# Allegro board Single PMT Data AcquisitionV_3P3.brd (continued)
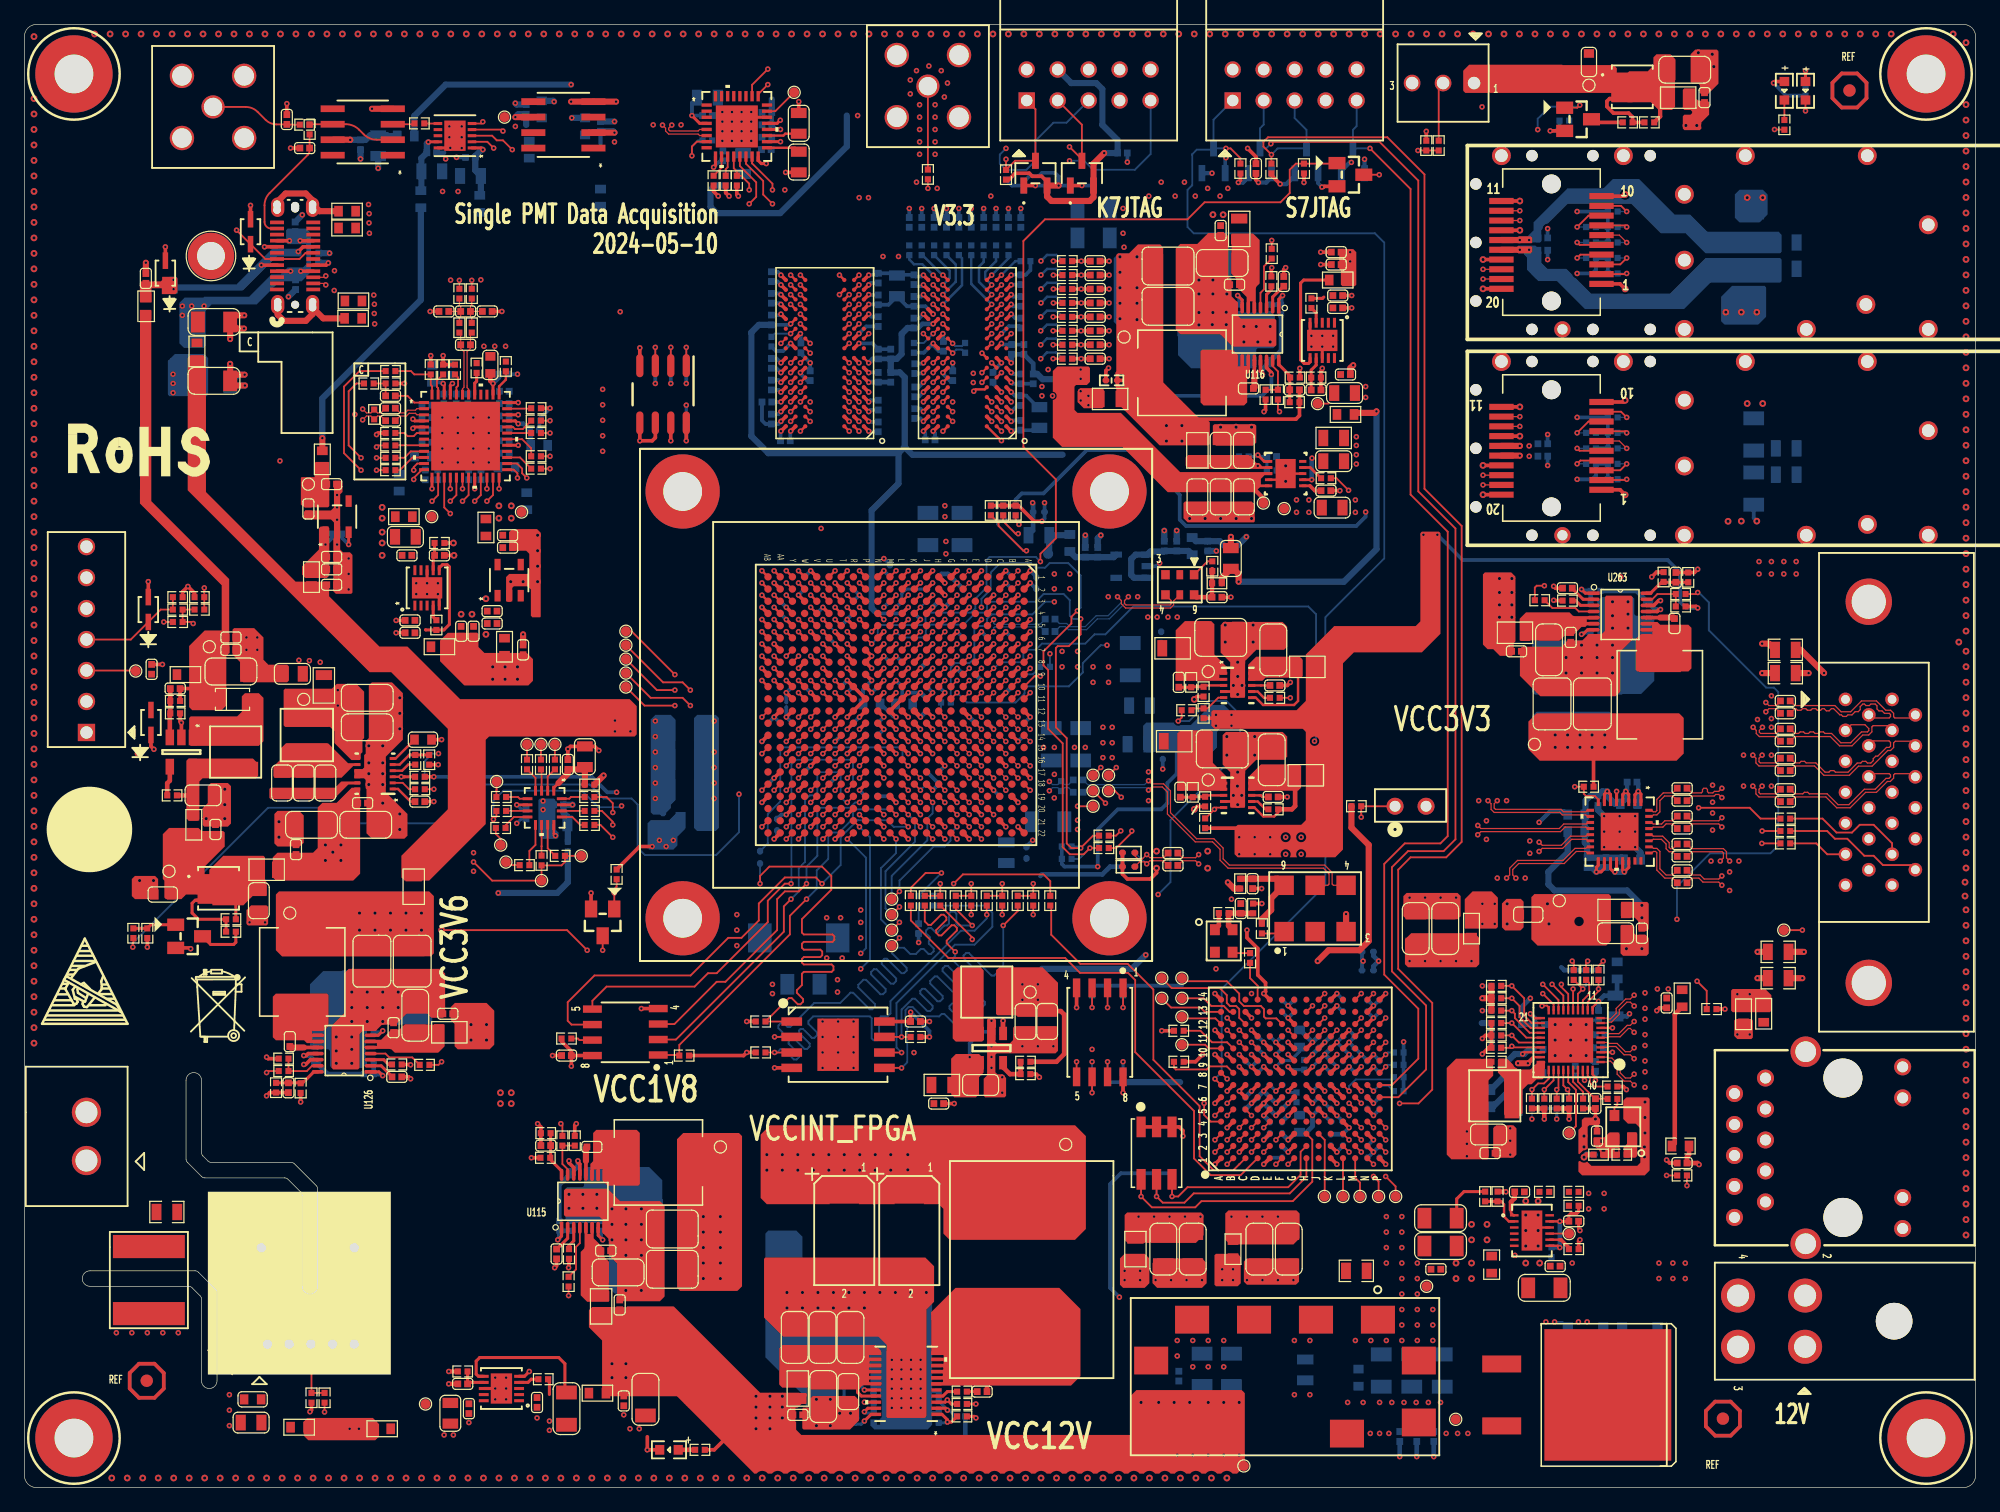
[diagram p0: board, top side]
## Routing (per net, layer and track width the routed paths; a pad name or vN(x,y) marks a point on that pad's centre or on a via; arc(x,y) is an arc through that point) (continued)
  TOP w0.102: v1(139.19,49.4) 138.94,49.66 137.64,49.66 137.31,49.99 136.72,49.99 136.34,49.61
  ART03 w0.102: J75.23 154.67,53.6 153.34,53.6 153.21,53.48 153.21,53.21 151.71,51.71 150.95,51.71 149.91,50.67 149.22,50.67 148.13,49.58 145,49.58 144.9,49.48 144.9,49.34 144.56,49 143.81,49 143.47,49.34 143.47,49.48 143.37,49.58 139.37,49.58 v1(139.19,49.4)
RF_MOD_IN_VARIABLE_P: length 59.4
  TOP w0.102: U1.E14 v1(78.48,61.19) ; U271.15 128.16,52.55 128.04,52.42 127.15,52.42 126.16,51.44 122.43,51.44 121.79,50.8 121.79,50.24 v1(121.54,49.99)
  ART08 w0.102: v1(78.48,61.19) 78.77,61.19 78.88,61.09 78.88,59.65 79.94,58.59 80.64,58.59 80.87,58.36 80.87,57.65 81.26,57.26 81.26,57.12 82.02,56.36 82.45,56.36 85.88,52.93 87.74,52.93 87.86,52.81 88.15,52.81 88.27,52.93 88.55,52.93 88.68,52.81 88.96,52.81 89.08,52.93 90.84,52.93 90.98,52.79 91.25,52.79 91.39,52.93 91.65,52.93 91.79,52.79 92.06,52.79 92.2,52.93 92.79,52.93 92.92,52.81 93.2,52.81 93.32,52.93 97.49,52.93 97.9,52.53 104.95,52.53 106.68,50.8 111.61,50.8 111.83,51.02 112.57,51.02 112.79,50.8 113.64,50.8 113.86,51.02 114.6,51.02 114.83,50.8 121.34,50.8 121.72,50.43 121.72,50.16 v1(121.54,49.99)
RF_MOD_IN_VARIABLE_P_C: length 21.8
  TOP w0.102: 136.34,50.62 136.72,50.24 137.41,50.24 137.74,49.91 138.94,49.91 v1(139.19,50.16)
  ART03 w0.102: v1(139.19,50.16) 139.37,49.99 139.86,49.99 139.98,50.11 140.26,50.11 140.39,49.99 140.51,49.99 140.63,50.11 140.91,50.11 141.04,49.99 141.32,49.99 141.45,50.11 141.72,50.11 141.85,49.99 142.13,49.99 142.26,50.11 142.54,50.11 142.66,49.99 143.54,49.99 143.88,49.65 143.88,49.5 143.98,49.4 144.39,49.4 144.49,49.5 144.49,49.65 144.83,49.99 145.19,49.99 145.29,50.09 145.59,50.09 145.69,49.99 146,49.99 146.1,50.09 146.4,50.09 146.51,49.99 147.96,49.99 149.06,51.08 149.74,51.08 150.78,52.12 151.54,52.12 152.18,52.76 152.18,52.99 152.35,53.16 152.44,53.16 152.58,53.16 152.78,53.36 152.78,53.6 152.53,53.85 151.87,53.85 J75.10
RF_SYNC_N: length 73.6
  TOP w0.102: v1(142.49,60.07) 142.24,59.82 142.24,59.54 142.34,59.44 143.62,59.44 C2456.2 ; U1.B12 v1(81.48,63.19)
  ART08 w0.102: v1(142.49,60.07) 142.3,59.87 142.3,59.55 140.78,58.04 135.76,58.04 135.64,57.91 124.27,57.91 120.76,61.42 119.16,61.42 118.82,61.76 118.82,62.05 118.72,62.15 118.31,62.15 118.21,62.05 118.21,61.76 117.87,61.42 116.62,61.42 116.28,61.76 116.28,62.05 116.18,62.15 115.77,62.15 115.67,62.05 115.67,61.76 115.33,61.42 113.36,61.42 113.02,61.76 113.02,61.98 112.92,62.09 112.51,62.09 112.41,61.98 112.41,61.76 112.07,61.42 106.46,61.42 106.26,61.62 105.37,61.62 105.17,61.42 103.09,61.42 100.73,63.78 99.09,63.78 97.44,65.43 94.06,65.43 93.73,65.1 88.37,65.1 86.44,63.17 84.29,63.17 83.82,63.64 81.28,63.64 81.08,63.44 81.08,63.29 81.18,63.19 v1(81.48,63.19)
RF_SYNC_P: length 74.3
  TOP w0.102: C2455.2 143.62,59.18 142.24,59.18 141.99,59.43 141.99,59.82 v1(141.73,60.07) ; U1.C12 v1(80.48,63.19)
  ART08 w0.102: v1(141.73,60.07) 141.89,59.91 141.89,59.72 140.61,58.45 135.59,58.45 135.47,58.32 124.43,58.32 120.93,61.82 119.33,61.82 119.22,61.93 119.22,62.22 118.88,62.56 118.14,62.56 117.8,62.22 117.8,61.93 117.7,61.82 116.79,61.82 116.69,61.93 116.69,62.22 116.35,62.56 115.6,62.56 115.26,62.22 115.26,61.93 115.16,61.82 113.53,61.82 113.43,61.93 113.43,62.15 113.09,62.49 112.34,62.49 112,62.15 112,61.93 111.9,61.82 106.63,61.82 106.42,62.03 105.2,62.03 105,61.82 103.26,61.82 100.89,64.19 99.26,64.19 97.61,65.84 93.89,65.84 93.56,65.51 91.64,65.51 91.54,65.61 91.24,65.61 91.13,65.51 90.5,65.51 90.39,65.62 90.09,65.62 89.98,65.51 89.69,65.51 89.57,65.62 89.28,65.62 89.17,65.51 88.2,65.51 87.93,65.24 87.75,65.24 87.55,65.04 87.55,64.86 87.35,64.66 87.18,64.66 86.98,64.46 86.98,64.29 86.78,64.09 86.6,64.09 86.4,63.89 86.4,63.71 86.27,63.58 85.88,63.58 85.77,63.68 85.47,63.68 85.37,63.58 85.06,63.58 84.96,63.68 84.66,63.68 84.56,63.58 84.45,63.58 84.19,63.84 81.19,63.84 80.88,63.52 80.88,63.29 80.77,63.19 v1(80.48,63.19)
S_FPGA_CLK: length 3.3
  TOP w0.152: R669.2 100.5,41.78 101.12,41.16 U88.D14
S_FPGA_QSPI_CLK: length 13.2
  TOP w0.152: U88.A8 v1(98.62,33.52)
  ART03 w0.102: v1(87.55,34.92) 88.34,34.14 98.01,34.14 v1(98.62,33.52)
  BOTTOM w0.152: R670.2 v1(87.55,34.92)
S_FPGA_QSPI_CS_B: length 19.5
  TOP w0.152: U89.1 v1(90.09,39.37) ; U88.C11 v1(99.63,37.52)
  ART03 w0.102: v1(99.63,37.52) 99.17,37.97 95.81,37.97 95.71,38.07 95.71,38.58 95.61,38.68 95.41,38.68 95.3,38.58 95.3,38.07 95.2,37.97 95,37.97 94.9,38.07 94.9,38.58 94.8,38.68 94.59,38.68 94.49,38.58 94.49,38.07 94.39,37.97 94.19,37.97 94.09,38.07 94.09,38.58 93.98,38.68 93.78,38.68 93.68,38.58 93.68,38.07 93.58,37.97 93.37,37.97 93.27,38.07 93.27,38.58 93.17,38.68 92.97,38.68 92.87,38.58 92.87,38.07 92.76,37.97 92.56,37.97 92.46,38.07 92.46,38.58 92.36,38.68 92.15,38.68 92.05,38.58 92.05,38.07 91.95,37.97 91.49,37.97 v1(90.09,39.37)
  BOTTOM w0.152: R658.2 v1(90.09,39.37)
S_FPGA_QSPI_MISO0: length 18.8
  TOP w0.152: U89.5 v1(86.28,34.92) ; U88.B11 v1(98.63,37.52)
  ART03 w0.102: v1(86.28,34.92) 86.28,35.56 87.68,36.96 88.86,36.96 88.96,37.06 88.96,37.36 89.06,37.47 89.26,37.47 89.36,37.36 89.36,37.06 89.47,36.96 89.67,36.96 89.77,37.06 89.77,37.36 89.87,37.47 90.08,37.47 90.18,37.36 90.18,37.06 90.28,36.96 90.48,36.96 90.58,37.06 90.58,37.36 90.69,37.47 90.89,37.47 90.99,37.36 90.99,37.06 91.09,36.96 91.3,36.96 91.4,37.06 91.4,37.36 91.5,37.47 91.7,37.47 91.8,37.36 91.8,37.06 91.9,36.96 98.06,36.96 v1(98.63,37.52)
S_FPGA_QSPI_MISO1: length 18.5
  TOP w0.152: U89.2 v1(88.82,39.37) ; U88.B12 v1(98.63,38.52)
  ART03 w0.102: v1(88.82,39.37) 89.33,39.88 91.31,39.88 91.41,39.78 91.41,39.4 91.51,39.29 91.72,39.29 91.82,39.4 91.82,39.78 91.92,39.88 92.12,39.88 92.22,39.78 92.22,39.4 92.33,39.29 92.53,39.29 92.63,39.4 92.63,39.78 92.73,39.88 92.94,39.88 93.04,39.78 93.04,39.4 93.14,39.29 93.34,39.29 93.44,39.4 93.44,39.78 93.54,39.88 93.75,39.88 93.85,39.78 93.85,39.4 93.95,39.29 94.15,39.29 94.26,39.4 94.26,39.78 94.36,39.88 94.56,39.88 94.66,39.78 94.66,39.4 94.76,39.29 94.97,39.29 95.07,39.4 95.07,39.78 95.17,39.88 95.37,39.88 95.48,39.78 95.48,39.4 95.58,39.29 95.78,39.29 95.88,39.4 95.88,39.78 95.98,39.88 96.31,39.88 97.67,38.52 v1(98.63,38.52)
S_FPGA_QSPI_MISO2: length 19.1
  TOP w0.152: U89.3 v1(87.55,39.37) ; U88.D10 v1(100.63,36.52)
  ART03 w0.102: v1(87.55,39.37) 88.57,40.39 96.57,40.39 97.71,39.24 99.11,39.24 100.12,38.23 100.12,37.02 v1(100.63,36.52)
  BOTTOM w0.152: R659.2 v1(87.55,39.37)
S_FPGA_QSPI_MISO3: length 19.1
  TOP w0.152: U89.7 v1(88.82,34.92) ; U88.C10 v1(99.63,36.52)
  ART03 w0.102: v1(88.82,34.92) 90.41,36.52 91.31,36.52 91.41,36.42 91.41,36.02 91.52,35.92 91.72,35.92 91.82,36.02 91.82,36.42 91.92,36.52 92.12,36.52 92.23,36.42 92.23,36.02 92.33,35.92 92.53,35.92 92.63,36.02 92.63,36.42 92.73,36.52 92.94,36.52 93.04,36.42 93.04,36.02 93.14,35.92 93.34,35.92 93.45,36.02 93.45,36.42 93.55,36.52 93.75,36.52 93.85,36.42 93.85,36.02 93.95,35.92 94.16,35.92 94.26,36.02 94.26,36.42 94.36,36.52 94.56,36.52 94.66,36.42 94.66,36.02 94.77,35.92 94.97,35.92 95.07,36.02 95.07,36.42 95.17,36.52 v1(99.63,36.52)
  BOTTOM w0.152: R660.2 v1(88.82,34.92)
S_FPGA_TCK: length 107.3
  TOP w0.152: U88.A7 v1(97.63,33.52) ; v1(98.53,109.83) 98.91,109.83 99.72,109.02 R668.2
  BOTTOM w0.152: D9.3 v1(98.53,109.83) ; D9.3 97.41,109.73 96.14,109.73 95.76,109.35 95.76,106.81 95.38,106.43 95.38,103.38 95.89,102.87 110.74,102.87 111.51,102.11 111.51,76.2 106.68,71.37 106.68,49.4 98.17,40.89 98.17,34.06 v1(97.63,33.52) ; D9.3 97.51,112.19 J56.1
S_FPGA_TDI: length 91.8
  TOP w0.152: v1(110.34,109.83) 113.67,106.5 113.67,81.44 116.71,78.39 116.71,53.43 116.11,52.83 113.19,52.83 111.51,51.15 111.51,42.07 114.3,39.28 114.3,35.18 112.14,33.02 U88.P7
  BOTTOM w0.152: v1(110.34,109.83) D6.3 108.94,111.35 109.24,111.65 J56.9
S_FPGA_TDO: length 102.5
  TOP w0.152: v1(102.21,110.21) 102.36,110.36 111.12,110.36 114.3,107.19 114.3,81.7 117.35,78.66 117.35,53.17 116.38,52.2 113.45,52.2 112.14,50.88 112.14,42.33 114.94,39.54 114.94,34.29 112.66,32.02 U88.P6
  BOTTOM w0.152: v1(102.21,110.21) 101.83,109.83 D8.3 101.32,111.48 101.62,111.78 J56.3
S_FPGA_TMS: length 112.8
  TOP w0.152: R667.2 v1(102.26,109.32) 101.6,109.98 101.6,110.36 101.98,110.74 111.76,110.74 114.81,107.7 114.81,81.92 117.86,78.87 117.86,52.96 116.59,51.69 113.67,51.69 112.65,50.67 112.65,42.55 115.44,39.75 115.44,32.64 114.31,31.51 v1(112.76,31.51) ; U88.M6 v1(109.63,31.52)
  ART03 w0.102: v1(112.76,31.51) 111.9,31.51 111.49,31.91 110.02,31.91 v1(109.63,31.52)
  BOTTOM w0.152: v1(102.26,109.32) 102.76,109.83 D7.3 105.13,111.35 104.16,112.32 J56.5
SFP_MGT_REFCLK_C_N: length 5.5
  TOP w0.102: U1.D5 v1(79.48,71.19)
  BOTTOM w0.102: C989.1 83.3,70.82 83.04,70.82 82.89,70.82 82.87,70.79 79.58,70.79 79.48,70.9 v1(79.48,71.19)
SFP_MGT_REFCLK_C_P: length 5.4
  TOP w0.102: U1.D6 v1(79.48,70.19)
  BOTTOM w0.102: v1(79.48,70.19) 79.48,70.49 79.58,70.59 82.87,70.59 82.89,70.56 83.04,70.56 83.36,70.56 C990.1
SFP_MGT_REFCLK_N: length 13.4
  TOP w0.102: U270.5 94.23,72.71 94.23,72.39 93.98,72.14 90.3,72.14 89.96,72.48 89.96,72.74 v1(89.64,73.06)
  BOTTOM w0.102: v1(89.64,73.06) 89.96,72.74 89.96,72.6 88.86,71.5 87.88,71.5 87,70.61 85.72,70.61 85.47,70.87 84.87,70.87 C989.2
SFP_MGT_REFCLK_P: length 13.1
  TOP w0.102: U270.4 94.03,72.75 94.03,72.47 93.95,72.39 90.33,72.39 90.21,72.51 90.21,72.74 v1(90.53,73.06)
  BOTTOM w0.102: v1(90.53,73.06) 90.21,72.74 90.21,72.49 88.96,71.25 87.99,71.25 87.1,70.36 85.62,70.36 85.37,70.61 84.91,70.61 C990.2
SFPGA_25M_OSC_ETH: length 4
  TOP w0.152: R858.2 129.8,31.9 C865.1 128.78,31.9 127.39,33.29 U93.37
SFPGA_ETH_INTB: length 16.9
  TOP w0.152: U88.P10 v1(111.63,36.52)
  ART03 w0.102: v1(123.62,30.23) 123.36,29.97 117.27,29.97 112.57,34.67 112.57,35.57 v1(111.63,36.52)
  BOTTOM w0.102: R852.2 v1(123.62,30.23)
SFPGA_ETH_LED0: length 3.4
  TOP w0.152: R867.2 v1(124.63,32.64) 125.39,33.4 U93.32
  BOTTOM w0.102: R867.2 v1(124.63,32.64)
SFPGA_ETH_LED1: length 26.1
  TOP w0.152: R866.2 v1(125.65,32.64) 125.79,32.78 U93.33 ; v1(137.16,41.53) 137.95,40.74 R835.1
  ART03 w0.102: v1(137.16,41.53) 137.16,41.55 136.8,41.91 131.09,41.91 130.73,41.55 130.73,33.83 129.67,32.77 127.68,32.77 127.3,33.15 126.16,33.15 v1(125.65,32.64)
  BOTTOM w0.102: R866.2 v1(125.65,32.64)
SFPGA_ETH_LED2: length 18.4
  TOP w0.152: R834.1 v1(134.66,25.6) ; R865.2 126.67,32.51 v1(126.54,32.64) 126.19,32.98 126.19,34.25 U93.34
  ART03 w0.102: v1(126.54,32.64) 127.05,32.64 127.61,32.08 129.92,32.08 130.25,31.75 132.08,31.75 132.41,32.08 133.08,32.08 133.35,31.81 133.35,26.91 v1(134.66,25.6)
  BOTTOM w0.102: R865.2 126.67,32.51 v1(126.54,32.64)
SFPGA_ETH_RESET_B: length 23.6
  TOP w0.152: U88.N11 v1(110.63,37.52) ; R853.2 129.08,42.8 v1(129.46,43.18)
  ART08 w0.102: v1(110.63,37.52) 110.7,37.59 113.49,37.59 114,38.1 120.52,38.1 121.06,38.63 122.63,38.63 124,40.01 127.6,40.01 128.56,40.97 128.56,42.28 v1(129.46,43.18)
SFPGA_ETH_TD_M_A: length 21.5
  TOP w0.102: U93.2 129.8,35.3 129.87,35.23 130.17,35.23 130.86,34.54 130.86,34.01 131.28,33.59 131.68,33.59 v1(132,33.91)
  ART08 w0.102: 140.23,24.7 141.23,24.2 141.27,24.06 141.21,23.94 140.89,23.62 140.22,23.62 140.09,23.75 139.82,23.75 139.69,23.62 139.57,23.62 138.94,24.26 138.94,24.75 139.08,24.89 139.08,25.15 138.94,25.3 138.94,25.56 139.08,25.7 139.08,25.97 138.94,26.11 138.94,27.13 139.07,27.26 139.07,27.53 138.94,27.66 138.94,27.93 133.2,33.67 132.59,33.67 132.35,33.91 v1(132,33.91)
SFPGA_ETH_TD_M_B: length 24.2
  TOP w0.102: U93.5 129.8,36.5 129.87,36.43 130.6,36.43 131.28,35.75 131.68,35.75 v1(132,36.07)
  ART03 w0.102: v1(132,36.07) 132.24,35.83 133.34,35.83 134.01,35.15 134.01,34.52 134.22,34.31 134.22,33.83 133.8,33.41 133.8,33.27 133.95,33.13 134.09,33.13 134.51,33.54 134.99,33.54 135.52,33.01 135.52,32.53 134.9,31.9 134.9,31.76 135.05,31.62 135.19,31.62 135.81,32.24 136.29,32.24 136.93,31.6 136.93,31.12 136.53,30.72 136.53,30.58 136.67,30.43 136.82,30.43 137.22,30.83 137.7,30.83 138.53,30 138.68,30 138.69,30.01 138.83,30.01 138.97,29.86 138.97,29.72 138.96,29.71 138.96,29.57 139.83,28.7 140.72,28.7 141.26,28.16 141.56,28.16 141.68,28.24 141.71,28.38 140.86,29.65 J6.7
SFPGA_ETH_TD_M_C: length 21
  TOP w0.102: v1(132,38.23) 131.68,37.91 131.43,37.91 130.75,37.23 129.87,37.23 129.8,37.3 U93.7
  ART08 w0.102: v1(132,38.23) 132.24,37.99 133.71,37.99 137.02,34.68 138.08,34.68 139.09,33.67 139.09,31.79 139.61,31.27 141.23,31.27 141.57,30.93 141.57,28.18 141.63,28.06 141.77,28.01 J6.6
SFPGA_ETH_TD_M_D: length 23.3
  TOP w0.102: U93.10 129.8,38.5 129.87,38.43 130.04,38.43 130.53,38.91 130.53,39.29 131.3,40.07 131.68,40.07 v1(132,40.39)
  ART03 w0.102: J6.9 141.23,31.82 141.27,31.68 141.21,31.56 140.92,31.27 139.93,31.27 139.74,31.46 139.52,31.46 139.33,31.27 139.04,31.27 136.14,34.16 136.14,34.4 136.25,34.5 136.58,34.5 136.92,34.84 136.92,35.59 136.58,35.92 136.25,35.92 136.14,36.03 136.14,36.43 136.25,36.53 136.58,36.53 136.92,36.87 136.92,37.62 136.58,37.96 136.25,37.96 136.14,38.06 136.14,38.23 134.73,39.65 134.73,39.86 134.54,40.04 134.33,40.04 134.23,40.14 133.87,40.14 133.77,40.25 133.77,40.26 133.67,40.36 133.47,40.36 133.37,40.26 133.37,40.25 133.26,40.14 132.24,40.14 v1(132,40.39)
SFPGA_ETH_TD_P_A: length 21.5
  TOP w0.102: v1(132,33.02) 131.68,33.34 131.17,33.34 130.6,33.91 130.6,34.44 130.07,34.98 129.87,34.98 129.8,34.9 U93.1
  ART08 w0.102: v1(132,33.02) 132.35,33.02 132.59,33.26 133.03,33.26 138.53,27.76 138.53,24.09 139.4,23.22 141.06,23.22 141.54,23.69 141.63,23.88 141.77,23.93 J6.2
SFPGA_ETH_TD_P_B: length 24.3
  TOP w0.102: v1(132,35.18) 131.68,35.5 131.17,35.5 130.49,36.18 129.87,36.18 129.8,36.1 U93.4
  ART03 w0.102: v1(132,35.18) 132.24,35.42 133.17,35.42 133.6,34.99 133.6,34.35 133.81,34.14 133.81,34 133.4,33.58 133.4,33.1 133.78,32.72 134.26,32.72 134.68,33.13 134.82,33.13 135.12,32.84 135.12,32.69 134.5,32.07 134.5,31.59 134.88,31.21 135.36,31.21 135.98,31.83 136.12,31.83 136.52,31.43 136.52,31.29 136.12,30.89 136.12,30.41 136.51,30.02 136.99,30.02 137.39,30.42 137.53,30.42 139.66,28.3 140.55,28.3 141.09,27.75 141.69,27.75 141.91,27.9 142.05,27.87 142.9,26.6 J6.4
SFPGA_ETH_TD_P_C: length 21.1
  TOP w0.102: v1(132,37.34) 131.68,37.66 131.53,37.66 130.85,36.98 129.87,36.98 129.8,36.9 U93.6
  ART08 w0.102: 140.23,27.24 141.23,27.74 141.27,27.87 141.24,27.94 141.16,28.02 141.16,28.48 140.99,28.66 140.99,28.89 141.16,29.06 141.16,30.76 141.06,30.86 140.24,30.86 140.06,30.68 139.84,30.68 139.66,30.86 139.45,30.86 139.08,31.23 139.01,31.23 138.86,31.23 138.68,31.4 138.68,31.48 138.68,31.56 138.68,31.8 138.57,31.91 138.57,32.21 138.68,32.32 138.68,33.51 137.92,34.27 136.85,34.27 133.54,37.58 132.24,37.58 v1(132,37.34)
SFPGA_ETH_TD_P_D: length 23.3
  TOP w0.102: U93.9 129.8,38.1 129.87,38.18 130.15,38.18 130.78,38.81 130.78,39.19 131.41,39.81 131.68,39.81 v1(132,39.5)
  ART03 w0.102: v1(132,39.5) 132.24,39.74 134.06,39.74 135.74,38.06 135.74,37.89 136.08,37.55 136.42,37.55 136.52,37.45 136.52,37.04 136.42,36.94 136.08,36.94 135.74,36.6 135.74,35.86 136.08,35.52 136.42,35.52 136.52,35.42 136.52,35.01 136.42,34.91 136.08,34.91 135.74,34.57 135.74,33.99 138.87,30.86 141.09,30.86 141.54,31.31 141.63,31.5 141.77,31.55 J6.8
SFPGA_RGMII_MDC: length 26.5
  TOP w0.152: R854.2 128.06,43.05 v1(128.19,43.18) ; U88.H13 v1(105.63,39.52)
  ART03 w0.102: v1(128.19,43.18) 127.68,43.69 125.06,43.69 123.48,42.11 107.35,42.11 105.63,40.38 v1(105.63,39.52)
SFPGA_RGMII_MDIO: length 24.8
  TOP w0.152: v1(126.92,43.18) 127.05,43.05 R855.2 ; U88.N10 v1(110.63,36.52)
  ART03 w0.102: v1(126.92,43.18) 125.31,43.18 122.98,40.85 122.98,36.45 121.59,35.05 119.3,35.05 117.29,37.06 111.53,37.06 110.99,36.52 v1(110.63,36.52)
SFPGA_RGMII_RX_CLK: length 22.2
  TOP w0.152: U88.H11 v1(105.63,37.52) ; 121.1,36.07 121.84,36.07 v1(121.97,36.2) 122.06,36.1 U93.27
  ART03 w0.102: v1(121.97,36.2) 119.55,36.2 118.28,37.47 111.43,37.47 110.98,37.02 106.13,37.02 v1(105.63,37.52)
  BOTTOM w0.102: v1(121.97,36.2) 121.84,36.07 121.1,36.07
SFPGA_RGMII_RX_CTL: length 21.9
  TOP w0.152: 121.1,37.08 v1(121.97,37.08) 122.55,36.5 U93.26 ; U88.P12 v1(111.63,38.52)
  ART03 w0.102: v1(111.63,38.52) 112.32,38.52 112.43,38.62 112.43,39.24 112.53,39.34 112.73,39.34 112.83,39.24 112.83,38.62 112.93,38.52 113.14,38.52 113.24,38.62 113.24,39.24 113.34,39.34 113.54,39.34 113.64,39.24 113.64,38.62 113.75,38.52 113.95,38.52 114.05,38.62 114.05,39.24 114.15,39.34 114.36,39.34 114.46,39.24 114.46,38.62 114.56,38.52 120.42,38.52 120.66,38.76 120.9,38.76 121.14,38.52 122.31,38.52 122.47,38.35 122.47,37.59 v1(121.97,37.08)
  BOTTOM w0.102: 121.1,37.08 v1(121.97,37.08)
SFPGA_RGMII_RXD0: length 22.3
  TOP w0.152: U93.25 123.16,36.9 v1(121.97,38.1) 121.1,38.1 ; U88.M11 v1(109.63,37.52)
  ART03 w0.102: v1(121.97,38.1) 121.46,37.59 120.68,37.59 120.57,37.49 120.57,36.7 120.47,36.6 120.27,36.6 120.17,36.7 120.17,37.49 120.07,37.59 119.05,37.59 118.72,37.92 116.79,37.92 116.68,38.02 116.68,38.14 116.58,38.24 116.38,38.24 116.28,38.14 116.28,38.02 116.18,37.92 115.97,37.92 115.87,38.02 115.87,38.14 115.77,38.24 115.57,38.24 115.46,38.14 115.46,38.02 115.36,37.92 115.16,37.92 115.06,38.02 115.06,38.14 114.96,38.24 114.75,38.24 114.65,38.14 114.65,38.02 114.55,37.92 114.35,37.92 114.25,38.02 114.25,38.14 114.14,38.24 113.94,38.24 113.84,38.14 113.84,38.02 113.74,37.92 113.53,37.92 113.43,38.02 113.43,38.14 113.33,38.24 113.13,38.24 113.03,38.14 113.03,38.02 112.92,37.92 112.72,37.92 112.62,38.02 112.62,38.14 112.52,38.24 112.31,38.24 112.21,38.14 112.21,38.02 112.11,37.92 110.03,37.92 v1(109.63,37.52)
  BOTTOM w0.102: 121.1,38.1 v1(121.97,38.1)
SFPGA_RGMII_RXD1: length 21.9
  TOP w0.152: 121.1,39.12 v1(121.97,39.12) 122.22,38.86 122.22,38.51 123.43,37.3 U93.24 ; U88.M12 v1(109.63,38.52)
  ART03 w0.102: v1(109.63,38.52) 110.12,39.02 111.07,39.02 111.68,39.62 114.97,39.62 115.08,39.52 115.08,38.9 115.18,38.8 115.38,38.8 115.48,38.9 115.48,39.52 115.58,39.62 115.79,39.62 115.89,39.52 115.89,38.9 115.99,38.8 116.19,38.8 116.29,38.9 116.29,39.52 116.4,39.62 119.98,39.62 120.31,39.29 120.51,39.29 120.84,39.62 121.46,39.62 v1(121.97,39.12)
  BOTTOM w0.102: 121.1,39.12 v1(121.97,39.12)
SFPGA_RGMII_RXD2: length 22
  TOP w0.152: U93.23 123.51,37.7 122.6,38.61 122.6,39.5 v1(121.97,40.13) 121.1,40.13 ; U88.N14 v1(110.63,40.52)
  ART03 w0.102: v1(121.97,40.13) 121.46,40.64 115.38,40.64 115.28,40.54 115.28,40.01 115.18,39.9 114.97,39.9 114.87,40.01 114.87,40.54 114.77,40.64 114.57,40.64 114.47,40.54 114.47,40.01 114.36,39.9 114.16,39.9 114.06,40.01 114.06,40.54 113.96,40.64 113.75,40.64 113.65,40.54 113.65,40.01 113.55,39.9 113.35,39.9 113.25,40.01 113.25,40.54 113.15,40.64 112.82,40.64 112.44,41.02 111.13,41.02 v1(110.63,40.52)
  BOTTOM w0.102: 121.1,40.13 v1(121.97,40.13)
SFPGA_RGMII_RXD3: length 22.3
  TOP w0.152: U88.M14 v1(109.63,40.52) ; 121.1,41.15 v1(121.97,41.15) 122.98,40.13 122.98,38.71 123.59,38.1 U93.22
  ART03 w0.102: v1(109.63,40.52) 110.76,41.66 113.72,41.66 113.82,41.55 113.82,41.25 113.92,41.15 114.12,41.15 114.23,41.25 114.23,41.55 114.33,41.66 114.53,41.66 114.63,41.55 114.63,41.25 114.73,41.15 114.94,41.15 115.04,41.25 115.04,41.55 115.14,41.66 115.34,41.66 115.44,41.55 115.44,41.25 115.55,41.15 115.75,41.15 115.85,41.25 115.85,41.55 115.95,41.66 121.46,41.66 v1(121.97,41.15)
  BOTTOM w0.102: 121.1,41.15 v1(121.97,41.15)
SFPGA_RGMII_TX_CLK: length 24
  TOP w0.152: U93.20 124.99,39.39 124.85,39.53 124.48,39.53 v1(124.45,39.5) ; U88.G11 v1(103.63,37.52)
  ART08 w0.102: v1(124.45,39.5) 124.45,38.88 123.15,37.59 114.1,37.59 113.53,37.02 104.12,37.02 v1(103.63,37.52)
SFPGA_RGMII_TX_CTL: length 23.8
  TOP w0.152: U88.K11 v1(107.63,37.52) ; v1(124.51,40.51) 125.39,39.63 U93.19
  ART08 w0.102: v1(107.63,37.52) 108.12,38.02 108.43,38.02 108.53,38.12 108.53,38.56 108.63,38.66 108.84,38.66 108.94,38.56 108.94,38.12 109.04,38.02 112.13,38.02 112.23,38.12 112.23,38.5 112.33,38.6 112.53,38.6 112.63,38.5 112.63,38.12 112.73,38.02 113.26,38.02 113.36,38.12 113.36,38.64 113.46,38.74 113.67,38.74 113.82,38.59 119.66,38.59 120.7,39.62 122.09,39.62 122.35,39.88 122.49,39.88 122.68,39.69 122.82,39.69 122.97,39.83 122.97,39.98 122.78,40.16 122.78,40.31 123.11,40.64 124.38,40.64 v1(124.51,40.51)
SFPGA_RGMII_TXD0: length 23.9
  TOP w0.152: v1(124.51,41.27) 125.79,39.99 U93.18 ; U88.J11 v1(106.63,37.52)
  ART08 w0.102: v1(106.63,37.52) 106.91,37.52 108.41,39.02 111.23,39.02 111.33,39.12 111.33,39.6 111.43,39.7 111.63,39.7 111.73,39.6 111.73,39.12 111.84,39.02 114.89,39.02 116.51,40.64 122.35,40.64 122.98,41.27 v1(124.51,41.27)
SFPGA_RGMII_TXD1: length 24.1
  TOP w0.152: U88.J12 v1(106.63,38.52) ; U93.17 126.19,39.15 126.19,40.35 v1(125.27,41.27)
  ART08 w0.102: v1(106.63,38.52) 107.27,38.52 108.76,40.01 112.59,40.01 112.69,39.9 112.69,39.64 112.79,39.54 113,39.54 113.1,39.64 113.1,39.9 113.2,40.01 114.91,40.01 116.67,41.77 124.78,41.77 v1(125.27,41.27)
SFPGA_RGMII_TXD2: length 23.9
  TOP w0.152: U93.16 126.59,40.49 126.03,41.05 v1(126.03,41.27) ; U88.J13 v1(106.63,39.52)
  ART08 w0.102: v1(126.03,41.27) 125.24,42.07 115.72,42.07 114.56,40.91 108.65,40.91 107.76,40.02 107.12,40.02 v1(106.63,39.52)
SFPGA_RGMII_TXD3: length 24.2
  TOP w0.152: U88.J14 v1(106.63,40.52) ; U93.15 v1(126.99,40.89)
  ART08 w0.102: v1(126.99,40.89) 125.52,42.37 108.47,42.37 v1(106.63,40.52)
SYS_CLK_CON_N: length 68.3
  TOP w0.102: v1(96.29,51.15) 96.04,51.41 94.96,51.41 C939.1
  ART08 w0.102: v1(96.29,51.15) 96.47,51.33 98.72,51.33 100.51,49.54 116.82,49.54 118.02,48.34 137.78,48.34 137.96,48.16 140.16,48.16 146.84,54.83 146.84,59.33 148.08,60.58 149.86,60.58 150.96,59.48 150.96,59.33 150.81,59.18 149.71,59.18 J75.5
SYS_CLK_CON_P: length 69
  TOP w0.102: v1(96.29,51.91) 96.04,51.66 94.96,51.66 C940.1
  ART08 w0.102: J75.18 152.77,59.18 151.64,59.18 151.37,59.45 151.37,59.65 150.03,60.99 147.91,60.99 146.43,59.5 146.43,55 140,48.56 138.12,48.56 137.95,48.74 118.19,48.74 116.99,49.94 100.68,49.94 98.89,51.73 96.47,51.73 v1(96.29,51.91)
TIMING_SPI_CLK_N: length 56.3
  TOP w0.102: U271.10 128.16,55.05 128.04,55.17 126.11,55.17 125.91,55.37 120.52,55.37 120.27,55.63 120.27,56.08 v1(120.02,56.34) ; U1.A14 v1(82.48,61.19)
  ART08 w0.102: v1(82.48,61.19) 82.77,61.49 83.07,61.49 83.45,61.11 87.62,61.11 88,61.49 89.61,61.49 89.78,61.32 90.01,61.32 90.18,61.49 90.82,61.49 91.02,61.29 91.22,61.29 91.43,61.49 91.93,61.49 92.08,61.34 92.33,61.34 92.49,61.49 94.4,61.49 96.68,59.21 99.8,59.21 101.6,57.4 104.21,57.4 104.78,56.83 106.1,56.83 106.48,57.2 106.95,57.2 107.33,56.83 110.21,56.83 110.55,57.17 110.55,57.66 110.65,57.76 111.06,57.76 111.16,57.66 111.16,57.17 111.5,56.83 112.24,56.83 112.58,57.17 112.58,57.78 112.68,57.89 113.09,57.89 113.19,57.78 113.19,57.17 113.53,56.83 116.93,56.83 117.27,57.17 117.27,58.04 117.37,58.14 117.78,58.14 117.88,58.04 117.88,57.29 118.22,56.95 120.09,56.95 120.19,56.85 120.19,56.52 v1(120.02,56.34)
TIMING_SPI_CLK_N_C: length 22.6
  TOP w0.102: v1(139.19,56.59) 138.94,56.85 138.68,56.85 138.56,56.72 136.72,56.72 136.34,56.34
  ART03 w0.102: J75.20 152.11,57.45 150.81,57.45 150.42,57.84 150.22,58.05 149.63,58.29 145.86,58.29 145.58,58.57 137.88,58.57 137.39,58.08 137.39,57.11 137.75,56.74 139.04,56.74 v1(139.19,56.59)
TIMING_SPI_CLK_P: length 56.1
  TOP w0.102: U1.A13 v1(82.48,62.19) ; U271.9 128.17,55.55 128.04,55.42 126.21,55.42 126.01,55.63 120.63,55.63 120.52,55.73 120.52,56.08 v1(120.78,56.34)
  ART08 w0.102: v1(120.78,56.34) 120.6,56.52 120.6,57.02 120.26,57.36 118.39,57.36 118.29,57.46 118.29,58.21 117.95,58.55 117.21,58.55 116.87,58.21 116.87,57.33 116.77,57.23 113.7,57.23 113.6,57.33 113.6,57.95 113.26,58.29 112.52,58.29 112.18,57.95 112.18,57.33 112.07,57.23 111.67,57.23 111.57,57.33 111.57,57.83 111.23,58.17 110.48,58.17 110.14,57.83 110.14,57.33 110.04,57.23 107.5,57.23 107.12,57.61 106.31,57.61 105.93,57.23 104.95,57.23 104.37,57.81 101.77,57.81 99.97,59.61 96.85,59.61 94.56,61.9 87.83,61.9 87.45,61.52 83.62,61.52 83.24,61.9 82.77,61.9 v1(82.48,62.19)
TIMING_SPI_CLK_P_C: length 22.6
  TOP w0.102: 136.34,57.35 136.72,56.97 137.5,56.97 137.6,57.07 137.6,57.25 137.71,57.35 137.91,57.35 138.01,57.25 138.01,57.07 138.11,56.97 138.45,56.97 138.58,57.1 138.94,57.1 v1(139.19,57.35)
  ART03 w0.102: J75.7 150.03,57.02 150.29,57.28 150.29,57.4 149.99,57.7 149.55,57.89 148.89,57.89 148.79,57.78 148.79,57.76 148.69,57.66 148.49,57.66 148.39,57.76 148.39,57.78 148.28,57.89 148.08,57.89 147.98,57.78 147.98,57.76 147.88,57.66 147.68,57.66 147.57,57.76 147.57,57.78 147.47,57.89 147.27,57.89 147.17,57.78 147.17,57.76 147.07,57.66 146.86,57.66 146.76,57.76 146.76,57.78 146.66,57.89 146.46,57.89 146.35,57.78 146.35,57.76 146.25,57.66 146.05,57.66 145.95,57.76 145.95,57.78 145.85,57.89 145.69,57.89 145.41,58.17 145.1,58.17 145,58.06 145,58.04 144.89,57.94 144.69,57.94 144.59,58.04 144.59,58.06 144.49,58.17 144.29,58.17 144.19,58.06 144.19,58.04 144.09,57.94 143.88,57.94 143.78,58.04 143.78,58.06 143.68,58.17 143.57,58.17 143.37,57.96 143.17,57.96 142.96,58.17 142.76,58.17 142.56,57.96 142.35,57.96 142.15,58.17 141.95,58.17 141.74,57.96 141.54,57.96 141.34,58.17 141.14,58.17 140.93,57.96 140.73,57.96 140.53,58.17 140.32,58.17 140.22,58.06 140.22,57.99 140.12,57.89 139.92,57.89 139.81,57.99 139.81,58.06 139.71,58.17 139.42,58.17 139.32,58.06 139.32,58.01 139.21,57.91 139.01,57.91 138.91,58.01 138.91,58.06 138.81,58.17 138.71,58.17 138.56,58.01 138.3,58.01 138.15,58.17 138.05,58.17 137.79,57.91 137.79,57.28 137.92,57.15 138.99,57.15 v1(139.19,57.35)
